# Altium PCB 1166V10.PcbDoc (part 5 of 6) (continued)
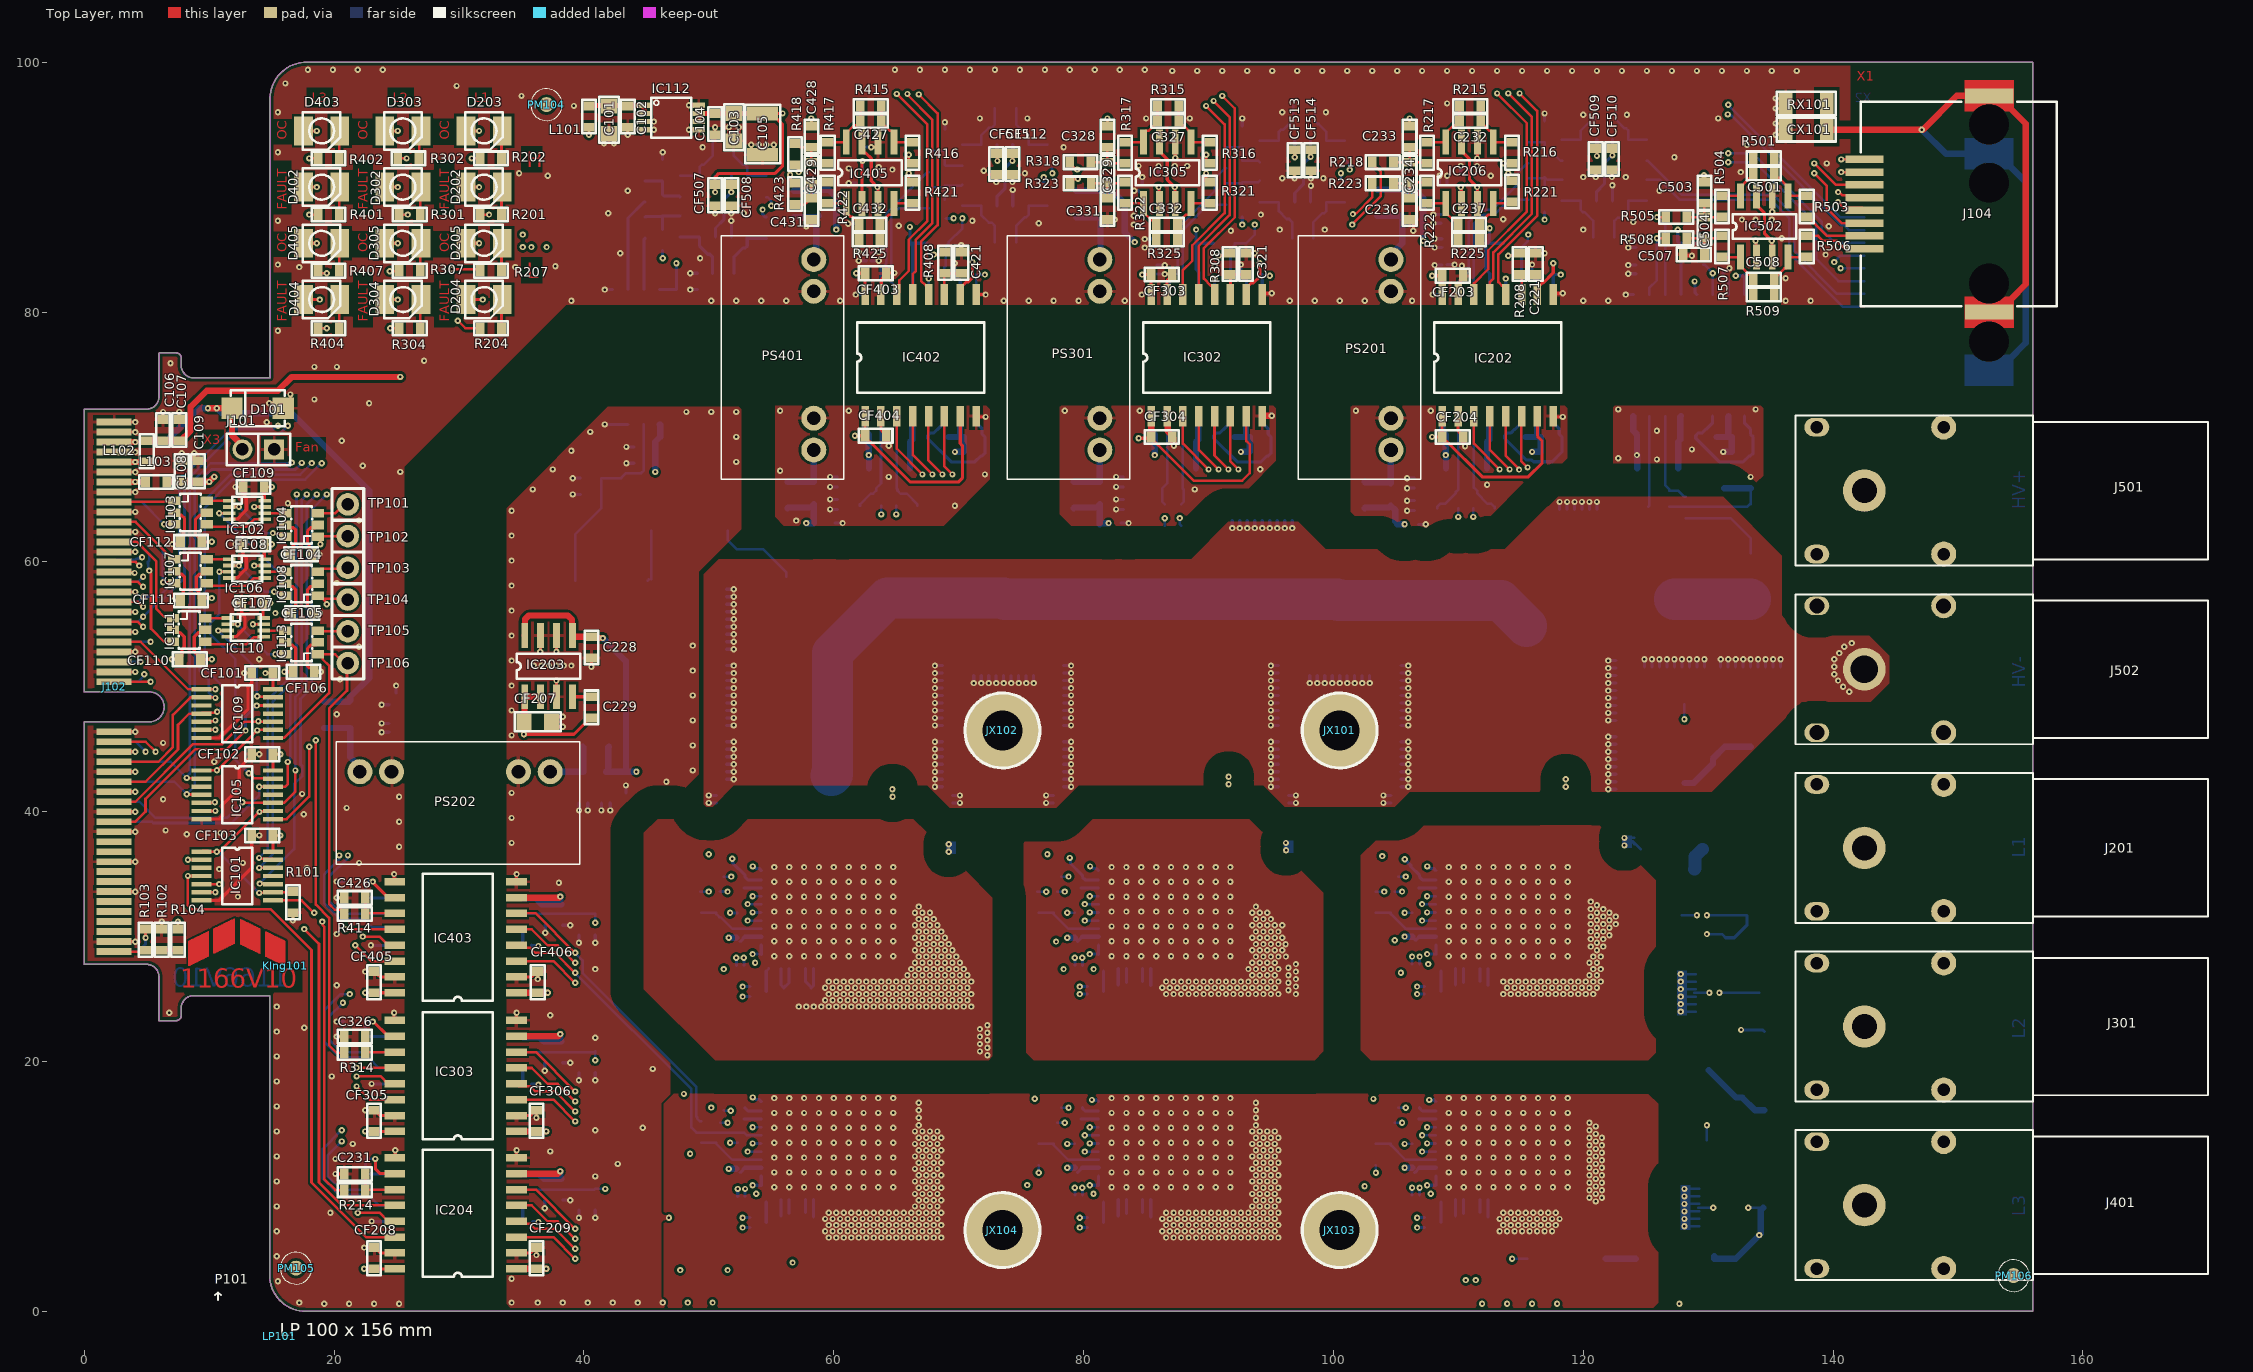
[diagram p0: Top Layer view]
## Nets (pads, with @x,y where several pads share a name; then routed paths per layer and width w, separated by ;. In a path a pad name is that pad's centre, name@x,y a point inside that pad or via, vN(x,y) a via of type N, cw(c..) or ccw(c..) an arc to the next point about the centre after c; other vN are vias at no path point) (continued)
U_HV_N: J103.8 R519.2 | length 95.8
  Layer 2 w0.203: v1(55,88.5) 56.125,88.5 61.932,94.306 91.232,94.306 91.725,94.8 107.1,94.8 108.406,96.106 115.706,96.106 116.5,96.9 131.221,96.9 131.52,96.601 v1(131.601,96.601)
  Bottom Layer w0.203: R519.2@54.6,89.2 54.7,89.2 54.948,88.952 54.948,88.852 55,88.8 v1(55,88.5) ; v1(131.601,96.601) 131.601,96.574 140.605,87.57 J103.8@142.495,87.57
U_HV_P: J103.7 R513.2 | length 96.8
  Layer 2 w0.203: v1(54.3,88.2) 54.38,88.2 54.68,87.9 56.1,87.9 62.1,93.9 91.4,93.9 91.894,94.394 107.294,94.394 108.6,95.7 115.875,95.7 116.668,96.494 130.908,96.494 131.575,95.827 v1(131.575,95.815)
  Bottom Layer w0.203: v1(131.575,95.815) 131.626,95.765 131.835,95.765 140.64,86.96 140.865,86.96 141.275,86.55 J103.7@142.495,86.55
  Bottom Layer w0.254: v1(54.3,88.2) 54.3,87.823 54.523,87.6 R513.2@54.6,87.6
U_L1_N: J104.2 R221.2 | length 31
  Top Layer w0.203: v1(113.99,91.097) 113.99,90.41 R221.2@114,90.4 ; v1(140.655,91.2) J104.2@142.52,91.2
  Layer 2 w0.203: v1(113.99,91.097) 113.99,91.177 114.307,91.494 126.706,91.494 128.7,89.5 138.955,89.5 v1(140.655,91.2)
U_L1_P: J104.1 R216.2 | length 31.7
  Top Layer w0.203: v1(113.6,91.9) R216.2@114.3,91.9 ; v1(140.655,92.22) J104.1@142.52,92.22
  Layer 2 w0.203: v1(113.6,91.9) 126.875,91.9 128.868,89.906 138.787,89.906 140.1,91.22 140.1,91.665 v1(140.655,92.22)
U_L2_N: J104.6 R321.2 | length 58.9
  Top Layer w0.203: v1(89.8,91.097) 89.8,90.41 R321.2@89.81,90.4 ; v1(138.5,91.1) 139.5,90.1 139.5,88.3 140.68,87.12 J104.6@142.52,87.12
  Layer 2 w0.203: v1(89.8,91.097) 90.397,91.097 92.4,93.1 107.8,93.1 109.132,94.432 133.093,94.432 136.425,91.1 v1(138.5,91.1)
U_L2_P: J104.3 R316.2 | length 56.3
  Top Layer w0.203: R316.2@89.81,91.9 v1(89.81,92.6) ; v1(138.5,91.9) 140.22,90.18 J104.3@142.52,90.18
  Layer 2 w0.203: v1(89.81,92.6) 91.3,92.6 92.206,93.506 107.606,93.506 108.95,94.85 133.25,94.85 136.2,91.9 v1(138.5,91.9)
U_L3_N: J104.5 R421.2 | length 81.2
  Top Layer w0.203: v1(66,91.097) 66,90.41 R421.2@66.01,90.4 ; v1(140.4,88.8) 140.857,88.343 142.317,88.343 J104.5@142.52,88.14
  Layer 2 w0.203: v1(66,91.097) v1@66.007,91.097
  Layer 5 w0.203: v1(66,91.097) 67.097,92.194 69.4,92.194 71.67,94.464 127.362,94.464 132.625,89.2 140,89.2 v1(140.4,88.8)
U_L3_P: J104.4 R416.2 | length 80.5
  Top Layer w0.203: R416.2@66.01,91.9 v1(66.01,92.6) ; v1(140.4,89.6) 140.48,89.6 140.717,89.363 142.317,89.363 J104.4@142.52,89.16
  Layer 5 w0.203: v1(66.01,92.6) 69.2,92.6 71.47,94.87 127.53,94.87 132.794,89.606 140.394,89.606 v1(140.4,89.6)
pads on no net: IC101.3 IC101.11 IC105.3 IC105.11 IC109.3 IC109.11 IC201.4 IC301.4 IC401.4 IC501.4 J102.49 J102.77 J102.78 J102.79 J102.80 J102.83 J102.84 J102.85 J102.86 J102.89 J102.90 J102.91 J102.92 J102.93 J102.94 J102.95 J102.96 J201.0 J301.0 J401.0 J501.0 J502.0 PM101.0 PM102.0 PM103.0 PM104.0 PM105.0 PM106.0

## Polygon pours and split planes (outlines as drawn)
M5 on Bottom Layer "M5_L08_P112" (solid, remove dead copper, pour order 112): 122.4,72.5 122.4,65.8 123.2,65 133.72,65 134.4,65.68 134.4,72.3 134.2,72.5
M2 on Bottom Layer "M2_L08_P111" (solid, remove dead copper, pour order 111): 101.5,72.5 118.5,72.5 118.7,72.3 118.7,68.3 112.9,62.5 102.9,62.5 101.4,64 101.4,72.4
M3 on Bottom Layer "M3_L08_P006" (solid, remove dead copper, pour order 6): 81.2,37 77,37 75.1,35.1 75.1,28.4 79,24.5 81.2,24.5
M3 on Bottom Layer "M3_L08_P106" (solid, remove dead copper, pour order 106): 95.2,72.5 95.4,72.3 95.4,68.1 93,65.7 91.4,65.7 87.2,61.5 80.4,61.5 78.1,63.8 78.1,72.4 78.2,72.5
M4 on Bottom Layer "M4_L08_P101" (solid, remove dead copper, pour order 101): 55.3,72.5 55.3,63.6 56.3,62.6 68.5,62.6 72.5,66.6 72.5,72.2 72.2,72.5
M1 on Bottom Layer "M1_L08_P090" (solid, remove dead copper, pour order 90): 119.7,17.5 127.6,17.5 129.9,15.2 129.9,0 34.4,0 33.8,0.6 33.8,64.3 41.9,72.4 52.4,72.4 52.6,72.2 52.6,62.6 49.2,59.2 49.2,23.5 55.294,17.406
SW_L1 on Bottom Layer "SW_L1_L08_P018" (solid, remove dead copper, pour order 18): 128.8,37.2 128.8,30.2 128,29.4 123,29.4 123,37.2
MP on Bottom Layer "MP_L08_P089" (solid, remove dead copper, pour order 89): 108.8,17.6 108.8,5.9 111.2,3.5 115,3.5 115,6 123.9,6 126.1,8.2 126.1,17.4 125.9,17.6
MP on Bottom Layer "MP_L08_P087" (solid, remove dead copper, pour order 87): 81.8,17.6 81.8,5.9 84.2,3.5 100.5,3.5 101.9,4.9 101.9,16.6 100.9,17.6
MP on Bottom Layer "MP_L08_P086" (solid, remove dead copper, pour order 86): 54.7,17.6 54.7,6.5 57.7,3.5 72.8,3.5 74.5,5.2 74.5,16 72.9,17.6
SW_L2 on Bottom Layer "SW_L2_L08_P008" (solid, remove dead copper, pour order 8): 84,35.9 84,27 84.4,26.6 84.4,25.2 83.4,24.2 82.6,24.2 80.4,22 80.4,20.1 101,20.1 101,35.9
GND on Bottom Layer "GND_L08_P046" (solid, remove dead copper, pour order 46): 156,80.6 38.6,80.6 25.6,67.6 25.6,0.2 25.4,0 16.4,0 14.8,1.6 14.8,22.7 14.2,23.3 5.9,23.3 5.9,26.7 4.8,27.8 0,27.8 0,72.2 5.2,72.2 6,73 6,76.7 14.9,76.7 14.9,98.3 16.6,100 156,100
HV on Bottom Layer "HV_L08_P001" (solid, remove dead copper, pour order 1): 54.7,54.4 134.7,54.4 136.3,56 136.3,60.4 135.2,61.5 122.2,61.5 121,60.3 110.3,60.3 109.85,59.85 56.35,59.85 54.7,58.2
MP on Bottom Layer "MP_L08_P038" (solid, remove dead copper, pour order 38): 121.6,53.5 143.5,53.5 144.5,52.5 144.5,50.3 143.1,48.9 121.6,48.9
M4 on Bottom Layer "M4_L08_P007" (solid, remove dead copper, pour order 7): 54.2,37 50,37 48.1,35.1 48.1,28.4 52,24.5 54.2,24.5
M2 on Bottom Layer "M2_L08_P005" (solid, remove dead copper, pour order 5): 108.2,36.9 103.9,36.9 102.1,35.1 102.1,28.4 106,24.5 108.2,24.5
M2U on Bottom Layer "M2U_L08_P015" (solid, remove dead copper, pour order 15): 142.9,39.7 144.5,38.1 144.5,36 143.1,34.6 139.4,34.6 135,30.2 132.5,30.2 132.5,38 134.2,39.7
M2V on Bottom Layer "M2V_L08_P016" (solid, remove dead copper, pour order 16): 138.872,25.275 142.825,25.275 144.5,23.6 144.5,21.9 143,20.4 135.2,20.4 133.4,22.2 133.4,27.3 136.386,27.3
M2W on Bottom Layer "M2W_L08_P017" (solid, remove dead copper, pour order 17): 143,10.9 144.5,9.4 144.5,7.6 143,6.1 134.8,6.1 134.1,6.8 134.1,10.1 134.9,10.9
M5 on Bottom Layer "M5_L08_P014" (solid, remove dead copper, pour order 14): 132.5,66.8 135.7,63.6 143.5,63.6 144.5,64.6 144.5,66.6 143.3,67.8 133.5,67.8
HV on Bottom Layer "HV_L08_P004" (solid, remove dead copper, pour order 4): 108.2,38.6 108.2,39.9 108.7,40.4 108.7,58.2 110.2,59.7 119.9,59.7 120.6,59 120.6,39.2 120,38.6
HV on Bottom Layer "HV_L08_P003" (solid, remove dead copper, pour order 3): 81.2,38.6 81.2,39.9 81.7,40.4 81.7,58.2 83.1,59.6 93,59.6 93.6,59 93.6,39.2 93,38.6
HV on Bottom Layer "HV_L08_P002" (solid, remove dead copper, pour order 2): 54.2,38.6 54.2,39.9 54.7,40.4 54.7,58.2 56.4,59.9 65.7,59.9 66.6,59 66.6,39.2 66,38.6
SW_L1 on Bottom Layer "SW_L1_L08_P000" (solid, remove dead copper, pour order 0): 111,35.9 111,27 111.4,26.6 111.4,25.2 110.4,24.2 109.6,24.2 107.4,22 107.4,20.1 126.1,20.1 126.1,35.9
SW_L3 on Bottom Layer "SW_L3_L08_P009" (solid, remove dead copper, pour order 9): 57,35.9 57,27 57.4,26.6 57.4,25.2 56.4,24.2 55.6,24.2 53.4,22 53.4,20.1 74,20.1 74,35.9
M5 on Layer 6 "M5_L07_P114" (solid, remove dead copper, pour order 114): 122.4,72.5 122.4,65.8 122.6,65.6 133.2,65.6 134.4,66.8 134.4,72.3 134.2,72.5
M3 on Layer 6 "M3_L07_P025" (solid, remove dead copper, pour order 25): 78.1,72.4 78.2,72.5 95.2,72.5 95.4,72.3 95.4,68.1 93,65.7 91.4,65.7 86.7,61 86.7,40.4 82,35.7 82,25.5 81.6,25.1 80.4,25.1 77.8,27.7 77.8,30.8 75.7,32.9 75.7,35.7 82.8,42.8 82.8,59.1 78.1,63.8
SW_L2 on Layer 6 "SW_L2_L07_P056" (solid, remove dead copper, pour order 56): 93.4,35.9 93.7,35.6 93.7,33.5 96.4,30.8 96.4,28.7 97.2,27.9 97.2,22.4 84.7,22.4 81.5,25.6 81.5,35.9
MP on Layer 6 "MP_L07_P058" (solid, remove dead copper, pour order 58): 73.5,3.5 60.7,3.5 54.5,9.7 54.5,16.1 44.8,25.8 44.8,38.3 49.6,43.1 49.6,59 50.8,60.2 88.5,60.2 91.7,63.4 101.3,63.4 103.5,61.2 113.2,61.2 117.2,65.2 131.2,65.2 137.6,58.8 137.6,19.7 125.3,7.4 125.3,4.7 124.1,3.5 111.2,3.5 108.8,5.9 108.8,17.2 108.5,17.5 102.9,17.5 101.9,16.5 101.9,4.6 100.8,3.5 84.2,3.5 81.9,5.8 81.9,17.2 81.5,17.6 75.7,17.6 74.5,16.4 74.5,4.5
M1 on Layer 6 "M1_L07_P059" (solid, remove dead copper, pour order 59): 119.7,17.5 127.6,17.5 129.9,15.2 129.9,0 34.4,0 33.8,0.6 33.8,64.3 41.9,72.4 52.4,72.4 52.6,72.2 52.6,62.6 49.2,59.2 49.2,23.5 55.294,17.406
MP on Layer 6 "MP_L07_P083" (solid, remove dead copper, pour order 83): 136.348,54.1 142.9,54.1 144.5,52.5 144.5,50.3 143,48.8 136.348,48.8
M2 on Layer 6 "M2_L07_P043" (solid, remove dead copper, pour order 43): 101.4,64 101.4,72.4 101.5,72.5 118.5,72.5 118.7,72.3 118.7,68.3 115.4,65 115.4,62.5 112.6,59.7 112.6,39 109,35.4 109,25.1 106.8,25.1 105.2,26.7 105.2,28.2 102.7,30.7 102.7,35.7 108.95,41.95 108.95,56.45
SW_L1 on Layer 6 "SW_L1_L07_P057" (solid, remove dead copper, pour order 57): 120.6,35.9 122.8,33.7 122.8,30.5 121.9,29.6 121.9,29.1 121.6,28.8 121.6,23.2 120.8,22.4 111.2,22.4 108.983,24.617 108.983,35.9
SW_L3 on Layer 6 "SW_L3_L07_P055" (solid, remove dead copper, pour order 55): 72.5,20.1 72.5,24.486 65.7,35.9 51.7,35.9 50.8,35 50.8,26.9 57.6,20.1
GND on Layer 6 "GND_L07_P051" (solid, remove dead copper, pour order 51): 156,80.6 38.6,80.6 25.6,67.6 25.6,0.2 25.4,0 16.4,0 14.8,1.6 14.8,22.7 14.2,23.3 5.9,23.3 5.9,26.7 4.8,27.8 0,27.8 0,72.2 5.2,72.2 6,73 6,76.7 14.9,76.7 14.9,98.3 16.6,100 156,100
M4 on Layer 6 "M4_L07_P019" (solid, remove dead copper, pour order 19): 53.2,24.5 48.7,29 48.7,35.7 56.6,43.6 56.6,62.8 55.3,64.1 55.3,72.5 72.2,72.5 72.5,72.2 72.5,66.6 60.8,54.9 60.8,41.8 55,36 55,25 54.5,24.5
M5 on Layer 5 "M5_L06_P115" (solid, remove dead copper, pour order 115): 122.4,72.5 122.4,65.8 122.6,65.6 133.2,65.6 134.4,66.8 134.4,72.3 134.2,72.5
MP on Layer 5 "MP_L06_P082" (solid, remove dead copper, pour order 82): 136.348,54.1 142.9,54.1 144.5,52.5 144.5,50.3 143,48.8 136.348,48.8
M1 on Layer 5 "M1_L06_P074" (solid, remove dead copper, pour order 74): 119.7,17.5 127.6,17.5 129.9,15.2 129.9,0 34.4,0 33.8,0.6 33.8,64.3 41.9,72.4 52.4,72.4 52.6,72.2 52.6,62.6 49.2,59.2 49.2,23.5 55.294,17.406
MP on Layer 5 "MP_L06_P068" (solid, remove dead copper, pour order 68): 73.5,3.5 60.7,3.5 54.5,9.7 54.5,16.1 44.8,25.8 44.8,38.3 49.6,43.1 49.6,59 50.8,60.2 88.5,60.2 91.7,63.4 101.3,63.4 103.5,61.2 113.2,61.2 117.2,65.2 131.2,65.2 137.6,58.8 137.6,19.7 125.3,7.4 125.3,4.7 124.1,3.5 111.2,3.5 108.8,5.9 108.8,17.2 108.5,17.5 102.9,17.5 101.9,16.5 101.9,4.6 100.8,3.5 84.2,3.5 81.9,5.8 81.9,17.2 81.5,17.6 75.7,17.6 74.5,16.4 74.5,4.5
SW_L1 on Layer 5 "SW_L1_L06_P060" (solid, remove dead copper, pour order 60): 120.6,35.9 122.8,33.7 122.8,30.5 122.8,24.4 120.8,22.4 111.2,22.4 108.983,24.617 108.983,35.9
M2 on Layer 5 "M2_L06_P026" (solid, remove dead copper, pour order 26): 105.4,25.1 102.1,28.4 102.1,35.1 108.5,41.5 108.5,56.9 101.4,64 101.4,72.4 101.5,72.5 118.5,72.5 118.7,72.3 118.7,68.3 115.4,65 115.4,62.5 112.6,59.7 112.6,39 109,35.4 109,25.4 108.7,25.1
M3 on Layer 5 "M3_L06_P023" (solid, remove dead copper, pour order 23): 78.4,25.1 75.1,28.4 75.1,35.1 82.8,42.8 82.8,59.1 78.1,63.8 78.1,72.4 78.2,72.5 95.2,72.5 95.4,72.3 95.4,68.1 93,65.7 91.4,65.7 86.7,61 86.7,40.4 82,35.7 82,25.6 81.5,25.1
SW_L2 on Layer 5 "SW_L2_L06_P064" (solid, remove dead copper, pour order 64): 93.4,35.9 93.7,35.6 93.7,33.5 96.4,30.8 96.4,28.7 97.2,27.9 97.2,22.4 84.7,22.4 81.5,25.6 81.5,35.9
SW_L3 on Layer 5 "SW_L3_L06_P050" (solid, remove dead copper, pour order 50): 74,20.1 74,21.968 74,35.9 51.7,35.9 50.8,35 50.8,25.7 56.4,20.1
SW_L3 on Layer 5 "SW_L3_L06_P029" (solid, remove dead copper, pour order 29): 71.9,23.3 71.4,22.8 71.4,20.5 72.8,19.1 119.5,19.1 123.5,15.1 123.5,10 127.1,6.4 128.4,6.4 128.6,6.6 128.6,10 126.9,11.7 126.9,17.3 121.8,22.4 73.5,22.4 72.6,23.3
GND on Layer 5 "GND_L06_P042" (solid, remove dead copper, pour order 42): 156,80.6 38.6,80.6 25.6,67.6 25.6,0.2 25.4,0 16.4,0 14.8,1.6 14.8,22.7 14.2,23.3 5.9,23.3 5.9,26.7 4.8,27.8 0,27.8 0,72.2 5.2,72.2 6,73 6,76.7 14.9,76.7 14.9,98.3 16.6,100 156,100
M4 on Layer 5 "M4_L06_P021" (solid, remove dead copper, pour order 21): 52,24.5 48.1,28.4 48.1,35.1 56.6,43.6 56.6,62.8 55.3,64.1 55.3,72.5 72.2,72.5 72.5,72.2 72.5,66.6 60.8,54.9 60.8,41.8 55,36 55,25 54.5,24.5
M5 on Layer 4 "M5_L05_P116" (solid, remove dead copper, pour order 116): 122.4,72.5 122.4,65.8 122.6,65.6 133.1,65.6 134.4,66.9 134.4,72.3 134.2,72.5
M3 on Layer 4 "M3_L05_P024" (solid, remove dead copper, pour order 24): 80.2,24.5 75.1,29.6 75.1,35.1 82.8,42.8 82.8,59.1 78.1,63.8 78.1,72.4 78.2,72.5 95.2,72.5 95.4,72.3 95.4,68.1 93,65.7 91.4,65.7 86.7,61 86.7,40.4 82,35.7 82,24.6 81.9,24.5
SW_L2 on Layer 4 "SW_L2_L05_P066" (solid, remove dead copper, pour order 66): 93.4,35.9 93.7,35.6 93.7,33.5 96.4,30.8 97.3,29.9 97.3,22.4 84.7,22.4 81.5,25.6 81.5,35.9
MP on Layer 4 "MP_L05_P073" (solid, remove dead copper, pour order 73): 73.5,3.5 60.7,3.5 54.5,9.7 54.5,16.1 44.8,25.8 44.8,38.3 49.6,43.1 49.6,59 50.8,60.2 88.5,60.2 91.7,63.4 101.3,63.4 103.5,61.2 113.2,61.2 117.2,65.2 131.2,65.2 137.6,58.8 137.6,19.7 125.3,7.4 125.3,4.7 124.1,3.5 111.2,3.5 108.8,5.9 108.8,17.2 108.5,17.5 102.9,17.5 101.9,16.5 101.9,4.6 100.8,3.5 84.2,3.5 81.9,5.8 81.9,17.2 81.5,17.6 75.7,17.6 74.5,16.4 74.5,4.5
M1 on Layer 4 "M1_L05_P075" (solid, remove dead copper, pour order 75): 119.7,17.5 127.6,17.5 129.9,15.2 129.9,0 34.4,0 33.8,0.6 33.8,64.3 41.9,72.4 52.4,72.4 52.6,72.2 52.6,62.6 49.2,59.2 49.2,23.5 55.294,17.406
MP on Layer 4 "MP_L05_P081" (solid, remove dead copper, pour order 81): 136.348,54.1 142.9,54.1 144.5,52.5 144.5,50.3 143,48.8 136.348,48.8
SW_L3 on Layer 4 "SW_L3_L05_P069" (solid, remove dead copper, pour order 69): 72.5,20.1 72.5,24.486 65.7,35.9 51.7,35.9 50.8,35 50.8,26.9 57.6,20.1
SW_L1 on Layer 4 "SW_L1_L05_P061" (solid, remove dead copper, pour order 61): 120.6,35.9 122.8,33.7 122.8,30 122.8,25.4 121.4,24 109.6,24 108.983,24.617 108.983,35.9
3V3 on Layer 4 "3V3_L05_P044" (solid, remove dead copper, pour order 44): 156,80.6 38.6,80.6 25.6,67.6 25.6,0.2 25.4,0 16.4,0 14.8,1.6 14.8,22.7 14.2,23.3 5.9,23.3 5.9,26.7 4.8,27.8 0,27.8 0,72.2 5.2,72.2 6,73 6,76.7 14.9,76.7 14.9,98.3 16.6,100 156,100
SW_L2 on Layer 4 "SW_L2_L05_P030" (solid, remove dead copper, pour order 30): 96.5,28.2 96,27.7 96,25.4 96.4,25 97.3,25 102.3,20 124.4,20 128.4,24 128.4,27.1 128.1,27.4 127.4,27.4 123.275,23.275 102.925,23.275 98,28.2
M4 on Layer 4 "M4_L05_P020" (solid, remove dead copper, pour order 20): 52,24.5 48.1,28.4 48.1,35.1 56.6,43.6 56.6,62.8 55.3,64.1 55.3,72.5 72.2,72.5 72.5,72.2 72.5,66.6 60.8,54.9 60.8,41.8 55,36 55,25 54.5,24.5
M2 on Layer 4 "M2_L05_P027" (solid, remove dead copper, pour order 27): 105.4,25.1 102.1,28.4 102.1,35.1 108.5,41.5 108.5,56.9 101.4,64 101.4,72.4 101.5,72.5 118.5,72.5 118.7,72.3 118.7,68.3 115.4,65 115.4,62.5 112.6,59.7 112.6,39 109,35.4 109,25.4 108.7,25.1
M5 on Layer 1 "M5_L02_P119" (solid, remove dead copper, pour order 119): 122.4,72.5 122.4,65.8 122.6,65.6 133.1,65.6 134.4,66.9 134.4,72.3 134.2,72.5
M2 on Layer 1 "M2_L02_P108" (solid, remove dead copper, pour order 108): 101.5,72.5 118.5,72.5 118.7,72.3 118.7,68.3 112.9,62.5 102.9,62.5 101.4,64 101.4,72.4
SW_L2 on Layer 1 "SW_L2_L02_P032" (solid, remove dead copper, pour order 32): 96.7,22.9 97.3,23.5 97.3,29.9 93.7,33.5 93.7,35.5 93.3,35.9 78.2,35.9 77.9,35.6 77.9,26.9 81.9,22.9
MP on Layer 1 "MP_L02_P072" (solid, remove dead copper, pour order 72): 73.5,3.5 60.7,3.5 54.5,9.7 54.5,16.1 44.8,25.8 44.8,38.3 49.6,43.1 49.6,59 50.8,60.2 88.5,60.2 91.7,63.4 101.3,63.4 103.5,61.2 113.2,61.2 117.2,65.2 131.2,65.2 137.6,58.8 137.6,19.7 125.3,7.4 125.3,4.7 124.1,3.5 111.2,3.5 108.8,5.9 108.8,17.2 108.5,17.5 102.9,17.5 101.9,16.5 101.9,4.6 100.8,3.5 84.2,3.5 81.9,5.8 81.9,17.2 81.5,17.6 75.7,17.6 74.5,16.4 74.5,4.5
M1 on Layer 1 "M1_L02_P078" (solid, remove dead copper, pour order 78): 119.7,17.5 127.6,17.5 129.9,15.2 129.9,0 34.4,0 33.8,0.6 33.8,64.3 41.9,72.4 52.4,72.4 52.6,72.2 52.6,62.6 49.2,59.2 49.2,23.5 55.294,17.406
M3 on Layer 1 "M3_L02_P103" (solid, remove dead copper, pour order 103): 95.2,72.5 95.4,72.3 95.4,68.1 93,65.7 91.4,65.7 87.2,61.5 80.4,61.5 78.1,63.8 78.1,72.4 78.2,72.5
M4 on Layer 1 "M4_L02_P098" (solid, remove dead copper, pour order 98): 55.3,72.5 55.3,63.6 56.2,62.7 68.6,62.7 72.5,66.6 72.5,72.2 72.2,72.5
GND on Layer 1 "GND_L02_P039" (solid, remove dead copper, pour order 39): 156,80.6 38.6,80.6 25.6,67.6 25.6,0.2 25.4,0 16.4,0 14.8,1.6 14.8,22.7 14.2,23.3 5.9,23.3 5.9,26.7 4.8,27.8 0,27.8 0,72.2 5.2,72.2 6,73 6,76.7 14.9,76.7 14.9,98.3 16.6,100 156,100
SW_L1 on Layer 1 "SW_L1_L02_P034" (solid, remove dead copper, pour order 34): 120.6,23 121.7,24.1 121.7,28.9 121.9,29.1 121.9,29.3 121.9,29.5 122.8,30.4 122.8,33.8 120.7,35.9 105.8,35.9 104.8,34.9 104.8,27 108.8,23
SW_L3 on Layer 1 "SW_L3_L02_P031" (solid, remove dead copper, pour order 31): 72.6,20.1 72.6,24.318 65.7,35.9 51.7,35.9 50.8,35 50.8,26.8 57.5,20.1
MP on Layer 1 "MP_L02_P035" (solid, remove dead copper, pour order 35): 136.348,54.1 142.9,54.1 144.5,52.5 144.5,50.3 143,48.8 136.348,48.8
M5 on Top Layer "M5_L01_P113" (solid, remove dead copper, pour order 113): 122.4,72.5 122.4,65.8 123.2,65 132.5,65 134.4,66.9 134.4,72.3 134.2,72.5
M2 on Top Layer "M2_L01_P107" (solid, remove dead copper, pour order 107): 101.5,72.5 118.5,72.5 118.7,72.3 118.7,68.3 112.9,62.5 102.9,62.5 101.4,64 101.4,72.4
MP on Top Layer "MP_L01_P091" (solid, remove dead copper, pour order 91): 137.511,54.1 135.9,55.711 135.9,60.5 131.2,65.2 117.9,65.2 113.7,61 99.4,61 97.2,63.2 91.6,63.2 88.6,60.2 50.8,60.2 49.6,59 49.6,40.6 49.8,40.4 50.3,40.4 52,42.1 67.5,42.1 69.3,40.3 77.8,40.3 79.6,42.1 94.4,42.1 96.1,40.4 104.9,40.4 106.1,41.6 130.3,41.6 137.5,48.8
SW_L2 on Top Layer "SW_L2_L01_P093" (solid, remove dead copper, pour order 93): 75.2,37.6 77,39.4 93.3,39.4 99.2,33.5 99.2,20.8 98.5,20.1 76,20.1 75.2,20.9
M3 on Top Layer "M3_L01_P102" (solid, remove dead copper, pour order 102): 95.2,72.5 95.4,72.3 95.4,68.1 93,65.7 91.4,65.7 87.2,61.5 80.4,61.5 78.1,63.8 78.1,72.4 78.2,72.5
M4 on Top Layer "M4_L01_P097" (solid, remove dead copper, pour order 97): 55.3,72.5 55.3,63.6 56.2,62.7 68.6,62.7 72.5,66.6 72.5,72.2 72.2,72.5
M1 on Top Layer "M1_L01_P096" (solid, remove dead copper, pour order 96): 46.9,0 46.9,23.4 44.6,25.7 44.6,38.4 49.2,43 49.2,59.2 52.6,62.6 52.6,72.2 52.4,72.4 41.9,72.4 33.8,64.3 33.8,0.6 34.4,0
SW_L3 on Top Layer "SW_L3_L01_P092" (solid, remove dead copper, pour order 92): 44.8,38.3 45.9,39.4 66.4,39.4 72.7,33.1 72.7,20.4 72.4,20.1 50.5,20.1 44.8,25.8
MP on Top Layer "MP_L01_P095" (solid, remove dead copper, pour order 95): 125.2,17.4 126,16.6 126,0.7 125.3,0 46.9,0 46.4,0.5 46.4,16.6 47.2,17.4
SW_L1 on Top Layer "SW_L1_L01_P094" (solid, remove dead copper, pour order 94): 102.2,36.5 104.6,38.9 121.4,38.9 125.8,34.5 125.8,20.7 125.2,20.1 103,20.1 102.2,20.9
MP on Top Layer "MP_L01_P084" (solid, remove dead copper, pour order 84): 136.348,54.1 142.9,54.1 144.5,52.5 144.5,50.3 143,48.8 136.348,48.8
GND on Top Layer "GND_L01_P045" (solid, remove dead copper, pour order 45): 156,80.6 38.6,80.6 25.6,67.6 25.6,0.2 25.4,0 16.4,0 14.8,1.6 14.8,22.7 14.2,23.3 5.9,23.3 5.9,26.7 4.8,27.8 0,27.8 0,72.2 5.2,72.2 6,73 6,76.7 14.9,76.7 14.9,98.3 16.6,100 156,100
M5 on Layer 3 "M5_L04_P117" (solid, remove dead copper, pour order 117): 122.4,72.5 122.4,65.8 122.6,65.6 133.1,65.6 134.4,66.9 134.4,72.3 134.2,72.5
M2 on Layer 3 "M2_L04_P110" (solid, remove dead copper, pour order 110): 101.5,72.5 118.5,72.5 118.7,72.3 118.7,68.3 112.9,62.5 102.9,62.5 101.4,64 101.4,72.4
SW_L2 on Layer 3 "SW_L2_L04_P067" (solid, remove dead copper, pour order 67): 93.4,35.9 93.7,35.6 93.7,33.5 97.3,29.9 97.3,22.4 82.4,22.4 77.9,26.9 77.9,35.9
MP on Layer 3 "MP_L04_P070" (solid, remove dead copper, pour order 70): 73.5,3.5 60.7,3.5 54.5,9.7 54.5,16.1 44.8,25.8 44.8,38.3 49.6,43.1 49.6,59 50.8,60.2 88.5,60.2 91.7,63.4 101.3,63.4 103.5,61.2 113.2,61.2 117.2,65.2 131.2,65.2 137.6,58.8 137.6,19.7 125.3,7.4 125.3,4.7 124.1,3.5 111.2,3.5 108.8,5.9 108.8,17.2 108.5,17.5 102.9,17.5 101.9,16.5 101.9,4.6 100.8,3.5 84.2,3.5 81.9,5.8 81.9,17.2 81.5,17.6 75.7,17.6 74.5,16.4 74.5,4.5
M1 on Layer 3 "M1_L04_P076" (solid, remove dead copper, pour order 76): 119.7,17.5 127.6,17.5 129.9,15.2 129.9,0 34.4,0 33.8,0.6 33.8,64.3 41.9,72.4 52.4,72.4 52.6,72.2 52.6,62.6 49.2,59.2 49.2,23.5 55.294,17.406
MP on Layer 3 "MP_L04_P080" (solid, remove dead copper, pour order 80): 136.348,54.1 142.9,54.1 144.5,52.5 144.5,50.3 143,48.8 136.348,48.8
M3 on Layer 3 "M3_L04_P105" (solid, remove dead copper, pour order 105): 95.2,72.5 95.4,72.3 95.4,68.1 93,65.7 91.4,65.7 87.7,62 79.9,62 78.1,63.8 78.1,72.4 78.2,72.5
M4 on Layer 3 "M4_L04_P100" (solid, remove dead copper, pour order 100): 55.3,72.5 55.3,63.6 56.2,62.7 68.6,62.7 72.5,66.6 72.5,72.2 72.2,72.5
SW_L1 on Layer 3 "SW_L1_L04_P062" (solid, remove dead copper, pour order 62): 120.6,35.9 122.8,33.7 122.8,30.5 122.8,23.9 121.3,22.4 108.2,22.4 104.8,25.8 104.8,35.9
SW_L3 on Layer 3 "SW_L3_L04_P048" (solid, remove dead copper, pour order 48): 72.6,20.1 72.6,24.318 65.7,35.9 51.7,35.9 50.8,35 50.8,26.9 57.6,20.1
GND on Layer 3 "GND_L04_P041" (solid, remove dead copper, pour order 41): 156,80.6 38.6,80.6 25.6,67.6 25.6,0.2 25.4,0 16.4,0 14.8,1.6 14.8,22.7 14.2,23.3 5.9,23.3 5.9,26.7 4.8,27.8 0,27.8 0,72.2 5.2,72.2 6,73 6,76.7 14.9,76.7 14.9,98.3 16.6,100 156,100
M5 on Layer 2 "M5_L03_P118" (solid, remove dead copper, pour order 118): 122.4,72.5 122.4,65.8 122.6,65.6 133.1,65.6 134.4,66.9 134.4,72.3 134.2,72.5
M2 on Layer 2 "M2_L03_P109" (solid, remove dead copper, pour order 109): 101.5,72.5 118.5,72.5 118.7,72.3 118.7,68.3 112.9,62.5 102.9,62.5 101.4,64 101.4,72.4
SW_L2 on Layer 2 "SW_L2_L03_P065" (solid, remove dead copper, pour order 65): 93.4,35.9 93.7,35.6 93.7,33.5 97.3,29.9 97.3,22.9 81.9,22.9 77.9,26.9 77.9,35.9
MP on Layer 2 "MP_L03_P071" (solid, remove dead copper, pour order 71): 73.5,3.5 60.7,3.5 54.5,9.7 54.5,16.1 44.8,25.8 44.8,38.3 49.6,43.1 49.6,59 50.8,60.2 88.5,60.2 91.7,63.4 101.3,63.4 103.5,61.2 113.2,61.2 117.2,65.2 131.2,65.2 137.6,58.8 137.6,19.7 125.3,7.4 125.3,4.7 124.1,3.5 111.2,3.5 108.8,5.9 108.8,17.2 108.5,17.5 102.9,17.5 101.9,16.5 101.9,4.6 100.8,3.5 84.2,3.5 81.9,5.8 81.9,17.2 81.5,17.6 75.7,17.6 74.5,16.4 74.5,4.5
M1 on Layer 2 "M1_L03_P077" (solid, remove dead copper, pour order 77): 119.7,17.5 127.6,17.5 129.9,15.2 129.9,0 34.4,0 33.8,0.6 33.8,64.3 41.9,72.4 52.4,72.4 52.6,72.2 52.6,62.6 49.2,59.2 49.2,23.5 55.294,17.406
MP on Layer 2 "MP_L03_P079" (solid, remove dead copper, pour order 79): 136.348,54.1 142.9,54.1 144.5,52.5 144.5,50.3 143,48.8 136.348,48.8
M3 on Layer 2 "M3_L03_P104" (solid, remove dead copper, pour order 104): 95.2,72.5 95.4,72.3 95.4,68.1 93,65.7 91.4,65.7 87.2,61.5 80.4,61.5 78.1,63.8 78.1,72.4 78.2,72.5
M4 on Layer 2 "M4_L03_P099" (solid, remove dead copper, pour order 99): 55.3,72.5 55.3,63.6 56.2,62.7 68.6,62.7 72.5,66.6 72.5,72.2 72.2,72.5
SW_L3 on Layer 2 "SW_L3_L03_P047" (solid, remove dead copper, pour order 47): 74,20.1 74,26.8 64.9,35.9 51.7,35.9 50.8,35 50.8,26.7 57.4,20.1
SW_L1 on Layer 2 "SW_L1_L03_P063" (solid, remove dead copper, pour order 63): 122.2,35.9 123.5,34.6 123.5,24.6 121.8,22.9 107.7,22.9 104.8,25.8 104.8,35.9
GND on Layer 2 "GND_L03_P040" (solid, remove dead copper, pour order 40): 156,80.6 38.6,80.6 25.6,67.6 25.6,0.2 25.4,0 16.4,0 14.8,1.6 14.8,22.7 14.2,23.3 5.9,23.3 5.9,26.7 4.8,27.8 0,27.8 0,72.2 5.2,72.2 6,73 6,76.7 14.9,76.7 14.9,98.3 16.6,100 156,100

## Keep-outs
Keep-Out Layer:
  lines w0.127: -0.009,72.216 -0.009,49.591 ; 0,72.225 4.978,72.225 ccw(c4.978,73.225) 5.978,73.225 5.978,76.703 ; 6,76.725 7.358,76.725 cw(c7.358,76.325) 7.758,76.325 ; 7.758,76.303 7.758,75.725 ccw(c8.758,75.725) 8.758,74.725 14.822,74.725 14.862,74.765 ; 8.758,25.275 ccw(c8.758,24.275) 7.758,24.275 7.758,23.675 cw(c7.358,23.675) 7.358,23.275 5.982,23.275 5.978,23.279 5.978,26.775 ccw(c4.978,26.775) 4.978,27.775 0,27.775 -0.009,27.784 -0.009,47.191 5.191,47.191 ccw(c5.191,48.391) 5.191,49.591 -0.009,49.591 ; 8.771,25.266 14.831,25.266 14.831,2.9 ccw(c17.731,2.9) 17.731,0 155.972,0 155.972,100 17.831,100 ccw(c17.797,97.066) 14.862,97.1 14.862,74.747 ; -0.009,49.591 -0.009,49.591

## Other copper
Top Layer:
  pour cut-out: 19.2,63.4 19.2,62.5 19.1,62.4 18.8,62.4 18.5,62.1 18.5,60.3 18.4,60.2 17.7,60.2 17.5,60.4 17.5,63 17.9,63.4
  pour cut-out: 19.3,58.7 19.3,57.8 19.2,57.7 18.9,57.7 18.6,57.4 18.6,55.6 18.5,55.5 17.8,55.5 17.5,55.8 17.5,58.2 18,58.7
  pour cut-out: 19.4,54 19.4,53.1 19.3,53 19,53 18.7,52.7 18.7,50.9 18.6,50.8 17.9,50.8 17.5,51.2 17.5,53.4 18.1,54
  pour cut-out: 6.4,54.2 6.4,55 6.5,55.1 7.7,55.1 8.3,54.5 8.3,52 8.1,51.8 7.703,51.8 7.3,52.203 7.3,53.3
  pour cut-out: 6.5,58.9 6.5,59.7 6.6,59.8 7.8,59.8 8.4,59.2 8.4,56.7 8.2,56.5 7.803,56.5 7.4,56.903 7.4,58
  pour cut-out: 6.5,63.6 6.5,64.4 6.6,64.5 7.8,64.5 8.4,63.9 8.4,61.4 8.2,61.2 7.803,61.2 7.4,61.603 7.4,62.7
  pour cut-out: 141.37,100 141.37,80.5 156,80.5 156,100
  text "X1" at 141.903,98.503 h0.76
  text "L3" at 18.203,96.803 h0.76
  text "L2" at 24.703,96.803 h0.76
  text "L1" at 31.203,96.803 h0.76
  text "OC" at 16.197,93.803 h0.76 r90
  text "OC" at 22.697,93.803 h0.76 r90
  text "OC" at 29.197,93.803 h0.76 r90
  text "H" at 35.403,91.603 h1.27
  text "FAULT" at 16.197,88.203 h0.76 r90
  text "FAULT" at 22.697,88.203 h0.76 r90
  text "FAULT" at 29.197,88.203 h0.76 r90
  text "OC" at 16.197,84.803 h0.76 r90
  text "OC" at 22.697,84.803 h0.76 r90
  text "OC" at 29.197,84.803 h0.76 r90
  text "L" at 35.403,82.703 h1.27
  text "FAULT" at 16.197,79.203 h0.76 r90
  text "FAULT" at 22.697,79.203 h0.76 r90
  text "FAULT" at 29.197,79.203 h0.76 r90
  text "X3" at 9.503,69.403 h0.76
  text "Fan" at 16.903,68.803 h0.76
  text "1166V10" at 7.7,25.9 h1.52